# Altium PCB EBAZ4205.PcbDoc (part 3 of 6)
Units mm, origin at the board's own origin, x right, y up, seen from the top; angles counter-clockwise.
Board outline 100.3 x 97 mm, 4 copper layers (Top Layer, MidLayer1, MidLayer2, Bottom Layer); 565 components, 392 nets, 1912 pads, 1242 vias.
Unrouted connection lines stored in the file: 7.
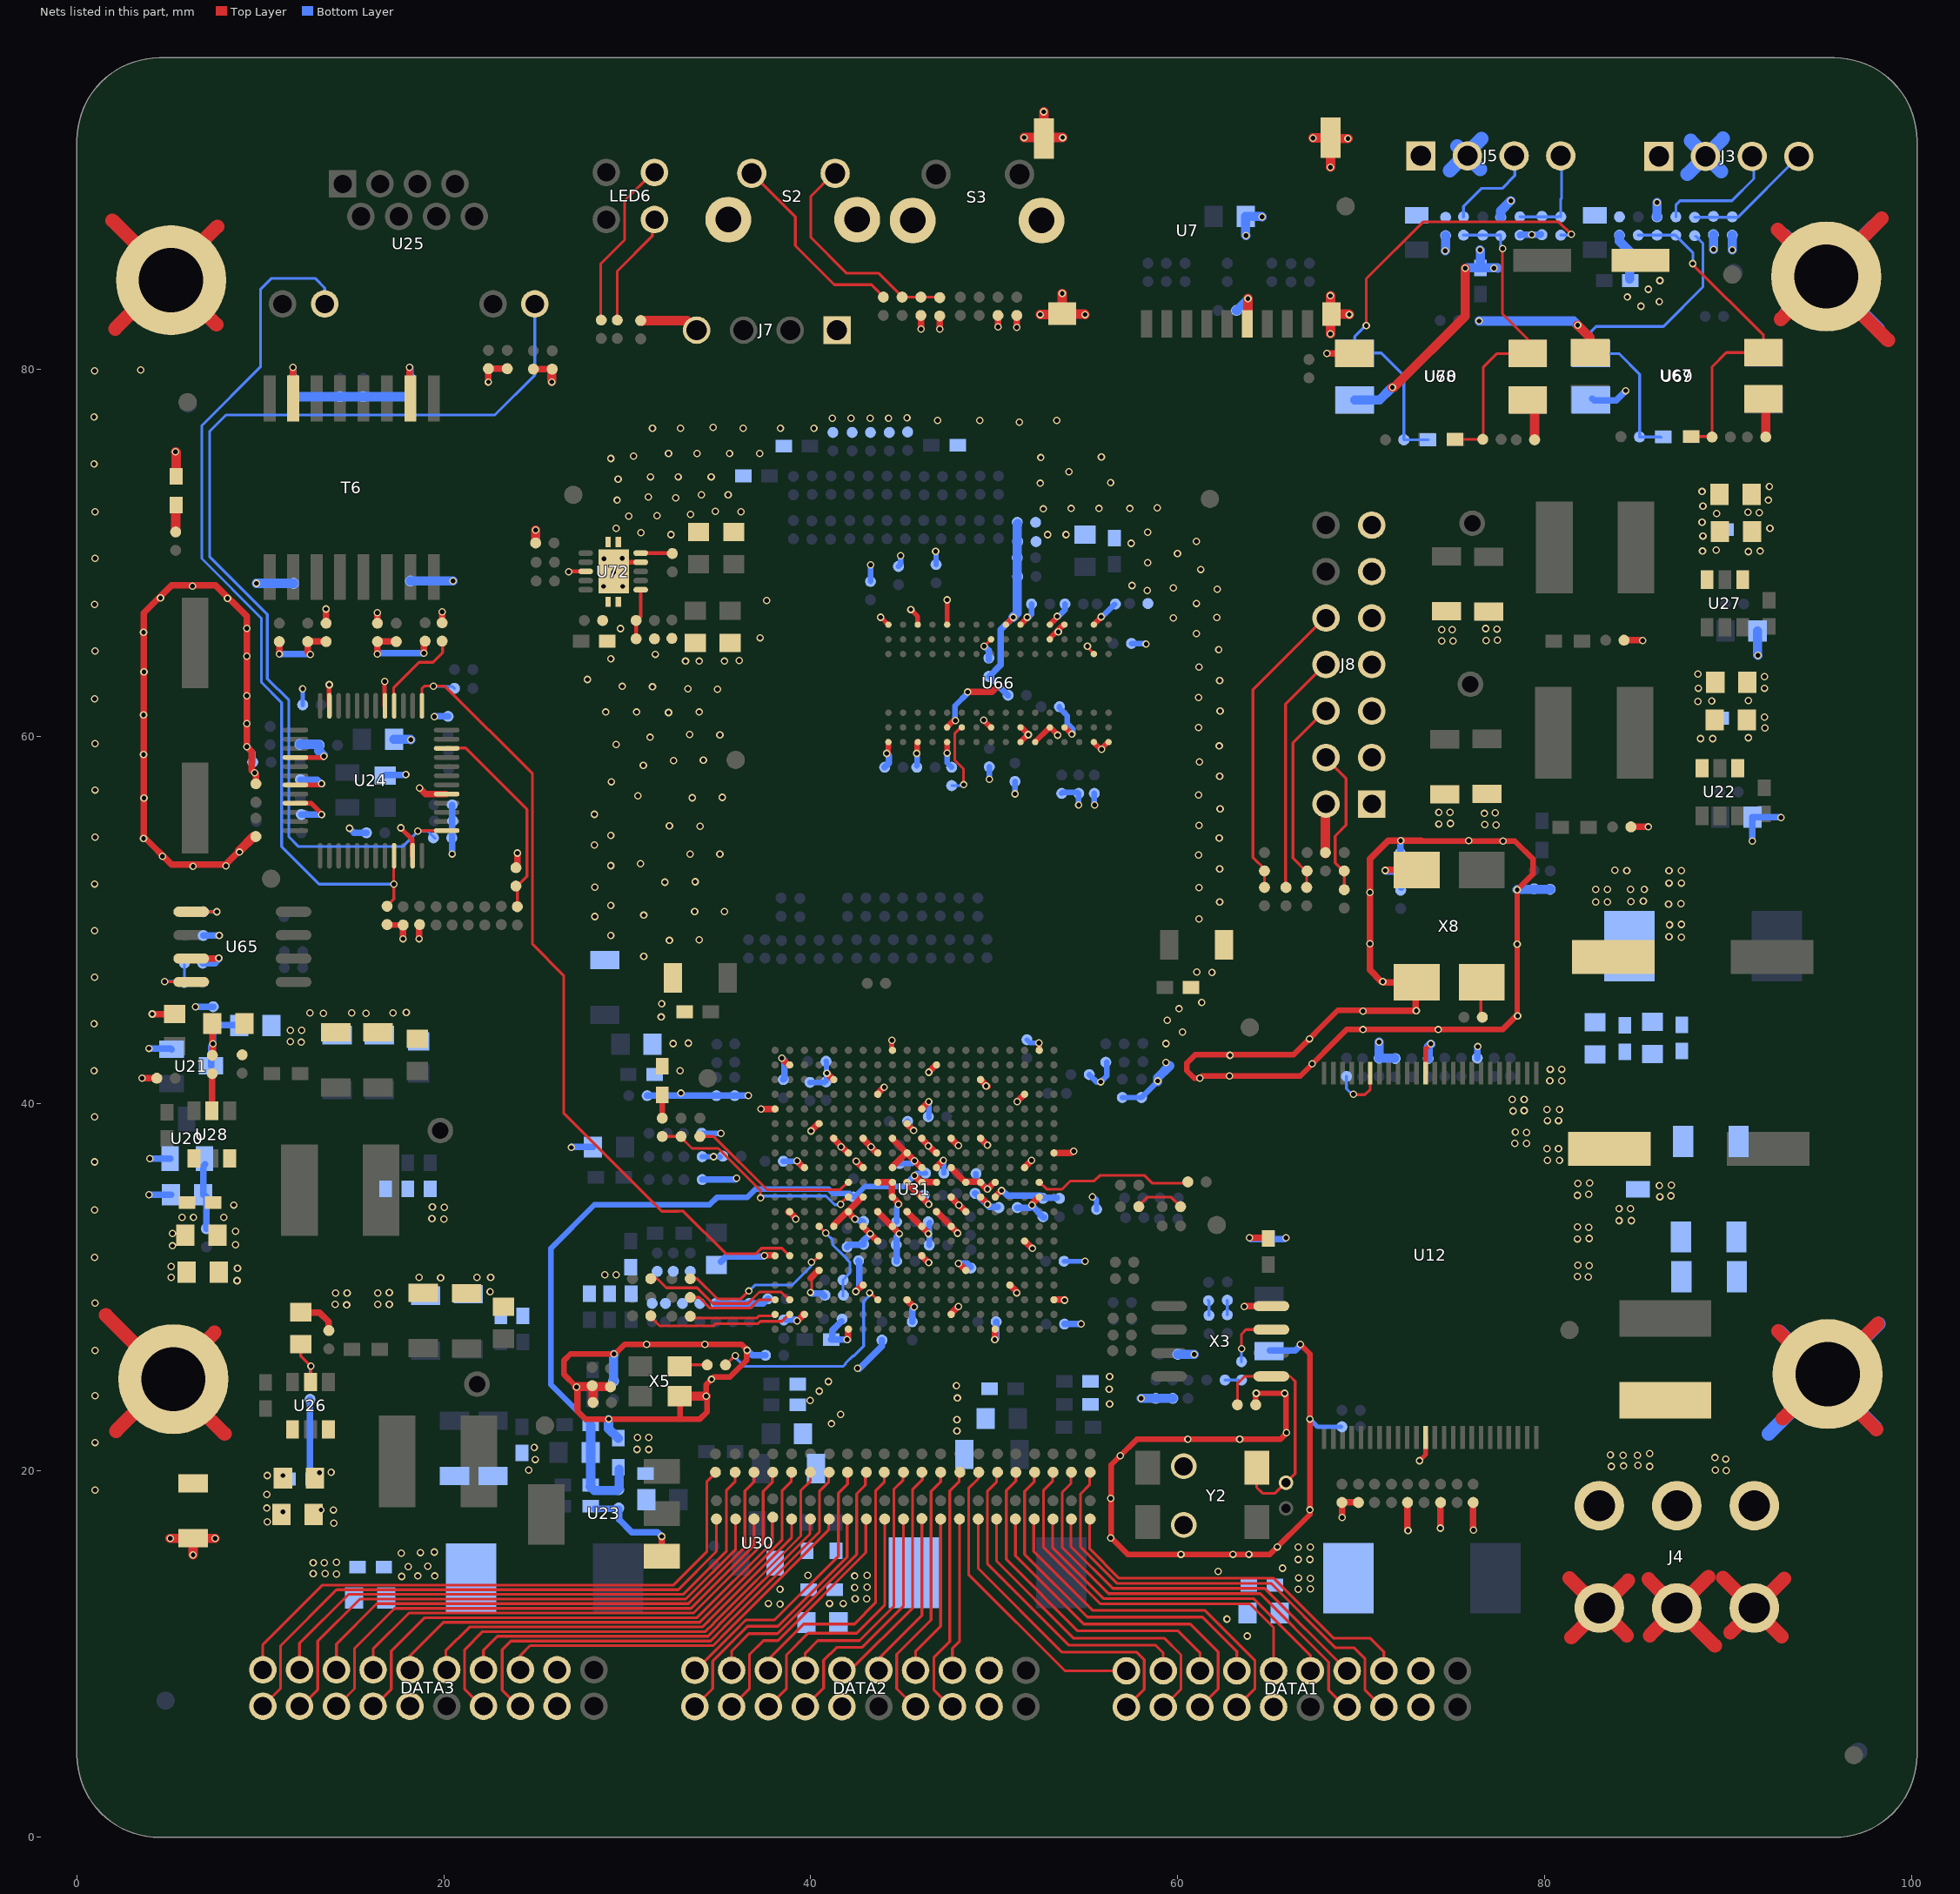
[diagram p5: the nets of this part, all layers, seen from the top]

## Via types
v1: diameter 0.406, hole 0.254, Top Layer to Bottom Layer, 1172 vias
v2: diameter 0.406, hole 0.254, Top Layer to Bottom Layer, tented both sides, 70 vias

## Nets (pads, with @x,y where several pads share a name; then routed paths per layer and width w, separated by ;. In a path a pad name is that pad's centre, name@x,y a point inside that pad or via, vN(x,y) a via of type N, cw(c..) or ccw(c..) an arc to the next point about the centre after c; other vN are vias at no path point) (continued)
GND: C68.2 C69.2 C71.1 C73.1 C82.1 C93.1 C94.1 C147.2 C289.1 C290.1 C291.2 C292.2 C293.1 C294.1 C306.2 C307.2 C308.2 C309.2 C310.2 C319.2 C320.2 C321.2 C322.2 C323.2 C325.1 C362.1 C363.1 C364.1 C366.2 C367.2 C368.2 C369.2 C370.2 C371.2 C372.2 C373.2 C374.2 C375.2 C376.2 C377.1 C379.1 C379A.1 C380.2 C382.2 C383.2 C384.1 C385.2 C386.2 C387.2 C389.1 C390.1 C391.2 C392.1 C394.1 C395.1 C396.2 C397.2 C398.1 C399.2 C401.1 C402.2 C403.1 C538.2 C625.2 C626.2 C628.2 C659.1 C660.1 C663.2 C665.2 C666.1 C667.2 C668.1 C669.1 C670.2 C671.1 C672.1 C673.2 C674.1 C845.1 C846.1 C1887.2 C1987.1 C2250.1 C2269.2 C2280.2 C2285.1 C2287.1 C2288.1 C2291.1 C2292.2 C2293.2 C2294.2 C2295.1 C2296.2 C2297.1 C2298.2 C2299.1 C2302.2 C2304.1 C2305.1 C2306.1 C2307.2 C2308.1 C2309.1 C2310.2 C2312.1 C2313.2 C2314.2 C2315.2 C2316.2 C2317.1 C2318.2 C2319.1 C2320.2 C2321.1 C2322.1 C2323.1 C2324.2 C2325.2 C2326.2 C2327.2 C2328.1 C2329.1 C2330.2 C2331.2 C2332.1 C2333.1 C2334.1 C2335.2 C2336.1 C2337.2 C2338.2 C2339.2 C2340.1 C2341.1 C2342.2 C2343.1 C2344.2 C2345.2 C2346.2 C2347.1 C2349.1 C2349A.2 C2350.1 C2351.2 C2352.2 C2353.1 C2354.2 C2355.2 C2356.1 C2357.1 C2358.2 C2359.1 C2360.1 C2361.1 C2362.2 C2363.1 C2365.1 C2366.2 C2367.2 C2368.2 C2369.2 C2370.2 C2371.2 C2372.2 C2373.1 C2374.2 C2375.2 C2376.2 C2377.1 C2378.2 C2379.2 C2381.1 C2382.2 C2384.1 C2394.2 C2395.2 C2396.1 C2397.1 C2398.2 C2399.2 C2400.1 C2401.2 C2402.1 C2403.2 C2404.2 C2405.2 C2406.2 C2407.2 C2408.2 C2409.2 C2410.1 DATA1.3 DATA1.4 DATA1.12 DATA2.3 DATA2.4 DATA2.12 DATA3.3 DATA3.4 DATA3.12 FB14.1 J7.1 J8.1 J8.3 J8.5 J8.7 J8.9 J8.11 J8.13 L36.2 LED1.2 LED4.2 R120A.1 R244.1 R246.1 R248.1 R277.1 R1336.2 R1381.1 R1383.1 R1386.1 R1389.1 R1390.1 R1392.1 R1393.2 R1396.2 R1412.1 R1415.2 R1418.2 R1421.2 R1483.2 R1497.1 R1498.1 R1499.1 R1949.1 R2161.1 R2389.2 R2433.2 R2455.2 R2456.2 R2459.1 R2512.1 R2538.2 R2541.2 R2558.2 R2560.2 R2584.2 R2585.1 R2586.2 R2587.2 R2588.1 R2590.2 R2598.2 R2616.2 R2645.2 R2648.1 S2.1 S2.2 S3.1 S3.2 U7.6 U7.10 U7.11 U7.12 U7.13 U12.13 U12.36 U20.2 U21.2 U22.1 U24.11 U24.17 U24.29 U24.35 U24.40 U24.43 U24.45 U26.1 U27.1 U28.1 U30.1 U31.A8 U31.A18 U31.B1 U31.B11 U31.C4 U31.C9 U31.C14 U31.D17 U31.E10 U31.E20 U31.F3 U31.F7 U31.F10 U31.G10 U31.G12 U31.G16 U31.H7 U31.H9 U31.H11 U31.H13 U31.H19 U31.J2 U31.J8 U31.J12 U31.K5 U31.K7 U31.K9 U31.K11 U31.K13 U31.K15 U31.L8 U31.L10 U31.L12 U31.L18 U31.M1 U31.M7 U31.M9 U31.M10 U31.M11 U31.M13 U31.N4 U31.N8 U31.N10 U31.N12 U31.N14 U31.P7 U31.P9 U31.P11 U31.P13 U31.P17 U31.R8 U31.R12 U31.R20 U31.T3 U31.T7 U31.T13 U31.U6 U31.U16 U31.V9 U31.V19 U31.W2 U31.W12 U31.Y5 U31.Y15 U65.3 U66.A9 U66.B1 U66.B3 U66.B9 U66.D1 U66.D8 U66.E1 U66.E2 U66.E8 U66.F9 U66.G1 U66.G8 U66.G9 U66.J2 U66.J8 U66.M1 U66.M9 U66.P1 U66.P9 U66.T1 U66.T9 U67.3 U68.3 U72.4 U72.8 U72.11 U72.12 U72.13 U72.14 U72.15 X3.4 X5.4 X8.2 Y2.5 Y2.6 | length 410.2
  Top Layer w0.152: v1@39.981,29.781 v1@40.056,29.706 ; v1@40.056,29.794 40.056,30.494 ; v1(49.456,64.931) 49.831,65.306 U66.J2@49.831,65.356 ; v1@55.056,64.906 55.406,64.556 U66.B3@55.431,64.556
  Top Layer w0.203: v1(26.806,68.981) 26.831,69.006 U72.8@27.706,69.006
  Top Layer w0.254: U24.45@11.881,56.374 12.763,56.374 13.331,55.806 v1(13.331,55.756) ; U24.43@11.881,57.369 13.269,57.369 v1(13.331,57.431) ; U24.40@11.881,58.862 13.388,58.862 v1(13.456,58.931) ; U24.35@13.735,61.681 13.735,62.81 v1(13.756,62.831) ; U24.29@16.763,61.681 16.763,62.987 v1(16.781,63.006) ; v1(17.656,55.031) 17.656,55.006 18.276,54.385 U24.11@18.276,53.506 ; U72.15@29.731,69.506 U72.4@30.706,69.506 ; U31.R20@42.001,27.731 U31.R20@42.031,27.7 ; v1(43.806,66.506) 43.831,66.506 U66.T1@44.231,66.106 ; v1(45.456,66.931) 45.831,66.556 U66.P1@45.831,66.106 ; v1@47.406,67.481 v1(47.431,67.456) U66.M1@47.431,66.106 ; v1(73.181,20.531) 73.517,20.866 U12.36@73.517,21.806 ; U12.13@73.517,41.656 73.517,42.966 v1(73.806,43.256)
  Top Layer w0.305: R1390.1@16.906,49.756 16.931,49.731 R1392.1@17.781,49.731 ; v1@27.206,24.581 26.556,25.231 26.556,26.006 26.906,26.356 29.331,26.356 29.856,26.881 36.231,26.881 36.506,26.606 36.506,26.006 35.606,25.106 34.731,25.106 34.306,24.681 v1(34.306,24.056) ; 27.281,23.356 27.281,23.231 27.706,22.806 32.907,22.806 33.956,22.806 34.356,23.206 34.356,23.981 v1@34.306,24.031 ; X5.4@32.856,23.931 X5.4@32.907,23.879 ; 32.881,22.806 X5.4@32.881,23.879 ; v1(44.133,59.084) 44.203,59.084 44.206,59.081 44.221,59.096 44.221,59.389 44.231,59.398 U66.T9@44.231,59.706 ; U31.M1@44.412,42.906 44.412,43.437 v1@44.431,43.456 ; v1(45.783,59.084) 45.803,59.084 45.806,59.081 45.806,59.681 U66.P9@45.831,59.706 ; v1(47.431,59.106) U66.M9@47.431,59.706 ; v1@49.456,60.931 49.456,60.856 U66.J8@49.831,60.481 ; U66.G8@51.406,60.506 51.481,60.506 51.856,60.131 U66.G9@51.431,59.706 ; U66.G1@51.431,66.106 51.806,66.481 v1(51.806,66.506) ; U66.F9@52.231,59.706 53.006,60.481 53.081,60.481 v1@53.431,60.131 ; U31.B1@52.452,42.906 v1@52.452,43.285 ; U66.E2@53.031,65.356 53.781,66.106 U66.D1@53.831,66.106 ; U66.E1@53.031,66.106 53.431,66.506 v1(53.431,66.556) ; U66.D8@53.831,60.481 53.881,60.481 v1(54.231,60.131) ; U66.B9@55.431,59.706 55.431,59.681 55.806,59.306 56.206,59.706 U66.A9@56.231,59.706 ; U66.B1@55.431,66.106 55.831,66.506 v1(55.831,66.531) ; C69.2@64.256,23.581 64.256,24.181 v1(64.281,24.206) v1(65.831,24.206) 65.906,24.131 65.906,22.006 65.606,21.706 57.781,21.706 56.781,20.706 56.381,20.306 56.381,16.331 57.281,15.431 65.031,15.431 67.206,17.606 67.206,26.356 v1(66.681,26.881) ; v2@70.031,45.081 68.731,45.081 66.306,42.656 60.956,42.656 60.506,42.206 60.506,41.781 60.906,41.381 v2(61.206,41.381) 61.331,41.506 66.681,41.506 69.206,44.031 77.706,44.031 78.506,44.831 v2(78.506,51.656) 79.381,52.531 79.381,53.306 78.381,54.306 73.306,54.306 73.281,54.331
  Top Layer w0.356: v1(4.106,44.881) C628.2@5.331,44.881 ; U65.3@6.231,47.906 7.706,47.906 v1(7.731,47.931) ; v2@8.856,53.781 8.106,53.031 5.156,53.031 3.631,54.556 3.631,66.731 5.156,68.256 7.556,68.256 9.256,66.556 v1(9.256,59.456) 9.531,59.181 9.531,58.181 v1(9.681,58.031) 9.756,57.956 C380.2@9.756,57.431 ; C386.2@12.181,28.606 13.231,28.606 13.731,28.106 R1415.2@13.731,27.631 ; C366.2@13.581,66.181 v1(13.581,66.956) ; C372.2@16.381,66.181 v1(16.381,66.756) ; v1(17.781,48.981) R1392.1@17.781,49.731 ; v1(18.656,48.981) R1386.1@18.656,49.756 ; v1(18.681,57.206) 19.015,56.871 U24.17@20.131,56.871 ; R1393.2@19.906,66.206 v1(19.906,66.806) ; v2@22.406,79.306 v2(22.431,79.331) R1389.1@22.431,80.056 C659.1@23.431,80.056 ; R2560.2@24.006,52.856 v1(24.006,53.656) ; C660.1@24.831,80.031 R1412.1@25.906,80.031 ; v1(27.231,24.556) 27.281,24.506 27.281,23.356 ; v1(37.281,39.706) 37.286,39.711 U31.Y5@37.981,39.711 ; v1@37.431,31.706 37.449,31.724 U31.Y15@37.981,31.724 ; v1(38.431,42.481) 38.431,42.461 U31.W2@38.785,42.107 ; U31.W12@38.786,34.087 U31.W12@38.817,34.087 ; U31.W12@38.816,34.12 v1@39.206,33.731 ; v1@39.256,28.131 39.589,28.464 U31.V19@39.589,28.529 ; v1(39.256,36.881) 39.256,36.849 U31.V9@39.589,36.516 ; 39.981,30.481 40.393,30.892 U31.U16@40.393,30.925 ; v1(40.006,38.506) 40.393,38.892 U31.U6@40.393,38.912 ; v1(40.881,41.656) 41.197,41.34 U31.T3@41.197,41.308 ; U31.T7@41.197,38.113 41.223,38.113 41.656,37.681 42.001,37.336 U31.R8@42.001,37.315 ; U31.T13@41.256,33.331 41.256,33.37 U31.P11@42.805,34.919 ; U31.R12@42.001,34.12 42.39,33.731 v1@42.406,33.731 ; v1@42.031,27.156 U31.R20@42.031,27.7 ; v1@42.431,36.881 42.44,36.881 U31.P9@42.805,36.516 ; v1(42.456,29.756) 42.805,30.104 U31.P17@42.805,30.127 ; U31.P13@42.805,33.321 43.57,32.556 U31.N14@43.606,32.556 ; U31.P7@42.805,38.113 43.256,37.662 43.256,37.656 43.597,37.315 U31.N8@43.608,37.315 ; U31.N12@43.608,34.12 44.823,32.906 v1(44.831,32.906) ; U31.N10@43.608,35.717 44.419,35.717 U31.M10@44.431,35.706 ; U31.N4@43.608,40.51 43.98,40.881 v1@43.981,40.881 ; U31.M10@44.412,35.717 44.412,34.949 v1@44.831,34.531 ; U31.M9@44.412,36.516 44.418,36.516 U31.L8@45.216,37.315 ; U31.M7@44.412,38.113 46.01,36.516 U31.K9@46.02,36.516 ; U31.L18@45.216,29.328 45.216,29.32 v1(45.631,28.906) ; U31.L12@45.216,34.12 46.406,32.931 v1(46.406,32.906) ; U31.L10@45.216,35.717 46.428,34.506 v1(46.431,34.506) ; v1(46.006,82.206) R120A.1@46.006,82.956 ; U31.K15@46.02,31.724 46.414,31.331 v1(46.431,31.331) ; U31.K7@46.02,38.113 46.803,37.331 U31.J8@46.806,37.331 ; U31.K5@46.02,39.711 46.036,39.711 v1(46.431,40.106) ; v1(46.431,41.706) 46.431,41.713 U31.J2@46.824,42.107 ; U31.J12@46.824,34.12 46.841,34.12 v1@47.993,32.968 ; v1(47.031,82.206) C73.1@47.031,82.931 ; U31.H19@47.628,28.529 47.63,28.529 v1@48.031,28.931 ; U31.H11@47.628,34.919 48.006,34.541 48.006,34.506 48.047,34.506 U31.G12@48.432,34.12 ; U31.H9@47.628,36.516 48.414,35.731 49.181,35.731 49.581,35.331 v1(49.631,35.331) U31.E10@50.006,35.706 ; U31.H7@47.628,38.113 48.036,37.706 v1(48.056,37.706) ; v1(48.056,31.281) 48.077,31.281 U31.G16@48.432,30.925 ; U31.F7@49.236,38.113 49.619,37.731 v1(49.631,37.731) ; U31.F3@49.236,41.308 49.614,40.931 v1@49.631,40.931 ; v1(50.031,27.131) 50.04,27.14 U31.E20@50.04,27.731 ; v1(50.206,82.331) C2410.1@50.206,82.956 ; U31.D17@50.844,30.127 51.256,29.715 v1@51.256,29.706 ; v1(51.231,82.306) R2648.1@51.231,82.956 ; v1(51.256,40.106) 51.256,40.117 U31.C4@51.648,40.51 ; U31.C14@51.648,32.523 52.065,32.106 v1(52.081,32.106) ; U31.C9@51.648,36.516 51.648,36.523 v1(52.031,36.906) ; v1@52.056,34.531 52.444,34.919 U31.B11@52.452,34.919 ; U31.A18@53.256,29.328 53.828,29.328 v1@53.831,29.331 ; U31.A8@53.256,37.315 54.19,37.315 v1@54.306,37.431 ; v1(63.631,28.931) 63.656,28.956 X3.4@65.106,28.956 ; v1(63.906,32.681) 64.906,32.681 C670.2@64.931,32.656 ; v1(68.131,80.881) U68.3@69.631,80.881 ; v1(68.956,17.431) R248.1@68.956,18.256 R2588.1@69.856,18.256 ; v2@70.081,45.056 v1(73.006,45.056) 72.981,45.081 72.981,46.556 X8.2@73.031,46.606 71.231,46.606 v1(71.181,46.656) 71.106,46.656 70.481,47.281 70.481,53.331 71.481,54.331 73.281,54.331 ; R2585.1@72.531,18.256 72.531,16.756 v1(72.556,16.731) ; v1(74.331,16.856) R246.1@74.331,18.256 ; R244.1@76.106,18.256 76.106,16.781 v1(76.131,16.756) ; R1418.2@84.331,65.256 85.331,65.256 v1(85.356,65.231) ; R1336.2@84.706,55.081 v1(85.656,55.081)
  Top Layer w0.508: v1(5.081,16.306) C325.1@6.331,16.306 ; v1(5.381,75.531) 5.406,75.506 LED4.2@5.406,74.181 ; v1(6.331,15.406) C325.1@6.331,16.306 ; v1(7.531,16.306) C325.1@6.331,16.306 ; v2@8.856,53.781 9.631,54.556 C377.1@9.756,54.556 ; C2400.1@25.006,70.556 v1(25.006,71.256) ; v2@25.881,79.381 25.881,80.006 R1412.1@25.906,80.031 ; v1(27.231,24.556) 27.256,24.581 C362.1@29.106,24.581 ; C364.1@28.106,24.581 28.131,24.556 R277.1@28.131,23.706 ; X5.4@32.856,24.056 v1(34.306,24.056) ; v1(51.631,92.656) 52.656,92.656 U7.12@52.706,92.606 ; v1(52.506,83.006) 53.681,83.006 U7.13@53.706,83.031 ; v1(52.706,94.056) U7.12@52.706,92.606 ; v1(53.706,84.156) U7.13@53.706,83.031 ; v1(53.731,92.656) 52.756,92.656 U7.12@52.706,92.606 ; v1(54.956,83.006) 54.931,83.031 U7.13@53.706,83.031 ; U7.6@63.79,82.506 63.831,82.546 v1(63.831,83.881) ; v1(67.381,92.631) 68.306,92.631 U7.11@68.331,92.656 ; v1(68.331,81.956) 68.331,82.981 U7.10@68.381,83.031 ; v1(68.331,84.031) 68.331,83.081 U7.10@68.381,83.031 ; v1(68.331,91.031) U7.11@68.331,92.656 ; v1(69.281,92.606) 68.381,92.606 U7.11@68.331,92.656 ; v1(69.356,83.006) 69.331,83.031 U7.10@68.381,83.031 ; v1(81.806,82.431) 82.481,81.756 U67.3@82.481,80.931
  Bottom Layer w0.254: C367.2@12.306,61.731 v1(12.306,62.606) ; C2293.2@51.781,43.481 51.956,43.306 v1(52.431,43.306) ; C674.1@53.806,31.406 v1(54.956,31.406) ; v2(67.206,22.806) 67.631,22.381 R2584.2@68.906,22.381
  Bottom Layer w0.305: R1498.1@34.056,38.381 v1(35.106,38.381) ; R1497.1@34.081,37.106 34.706,37.106 35.031,37.106 C667.2@35.056,37.081 ; C668.1@38.506,36.856 39.281,36.856 v1@39.306,36.881 ; C2280.2@39.956,41.156 40.756,41.156 40.856,41.256 40.856,42.281 C2299.1@40.831,42.306 ; R2645.2@43.256,68.456 v1(43.256,69.356) ; C2342.2@44.681,33.556 44.681,34.356 v1@44.781,34.456 ; C2382.2@44.781,69.281 44.906,69.406 v1(44.906,69.856) ; C2347.1@44.831,36.731 45.531,36.731 v2@45.631,36.831 ; C2375.2@45.781,58.406 45.806,58.431 45.806,59.081 45.803,59.084 v1(45.783,59.084) ; v1@46.406,40.006 v1@46.456,40.056 ; R2456.2@46.431,39.256 v1@46.431,39.981 ; C2346.2@46.456,32.281 46.456,33.481 C2335.2@46.481,33.506 ; v1(46.806,70.106) 46.831,70.081 C2376.2@46.831,69.381 ; v1(47.431,59.106) 47.431,58.581 R2455.2@47.681,58.331 ; C2350.1@49.006,36.181 49.006,35.956 v1@49.506,35.456 ; v1(49.731,57.681) C2368.2@49.731,58.356 ; v1(51.131,56.881) C2378.2@51.131,57.556 ; v1@51.831,66.456 52.031,66.656 C2369.2@52.031,67.231 ; v1@53.481,66.531 53.856,66.906 C2371.2@53.856,67.231 ; C2250.1@53.556,61.631 53.556,61.556 53.981,61.131 53.981,60.731 54.281,60.431 v1@54.281,60.206 ; C2372.2@53.681,56.906 53.731,56.956 C2367.2@54.531,56.956 ; v1(54.606,56.281) C2367.2@54.606,56.906 ; C2291.1@55.181,41.581 55.581,41.181 v1(55.806,41.181) 56.131,41.506 C2297.1@56.131,42.256 ; v1@55.356,34.956 55.581,34.731 C671.1@55.581,34.231 ; C2379.2@55.456,56.906 55.456,56.306 v1(55.481,56.281) ; v1(55.831,66.531) 55.881,66.531 C2381.1@56.556,67.206 ; C2304.1@56.981,40.331 R2459.1@58.031,40.331 58.906,41.206 v1(58.906,41.231) ; C2373.1@57.481,65.081 58.256,65.081 v1(58.281,65.056)
  Bottom Layer w0.356: v1(3.931,35.031) C625.2@5.131,35.031 ; v1(3.931,43.006) 5.106,43.006 U21.2@5.156,42.956 ; v1(3.981,37.006) U20.2@5.081,37.006 ; R1949.1@6.856,47.656 7.531,47.656 v1@7.756,47.881 ; C1887.2@6.881,49.156 v1(7.756,49.156) ; v1(9.256,59.456) 9.581,59.131 C376.2@9.581,58.606 ; C370.2@12.181,57.656 13.106,57.656 v1@13.356,57.406 ; C374.2@12.231,55.756 v1(13.331,55.756) v1@13.356,55.731 ; v1(14.856,55.006) 15.106,54.756 C382.2@15.781,54.756 ; C379.1@16.806,57.881 16.831,57.906 v1@17.881,57.906 ; v1(19.481,61.081) 19.506,61.106 R1396.2@20.231,61.106 ; v1(20.456,53.606) R1381.1@20.456,56.281 ; v1(26.956,37.606) 26.981,37.631 C663.2@28.131,37.631 ; C672.1@31.081,40.431 R2161.1@34.856,40.431 v1(36.606,40.431) ; R1499.1@34.081,35.856 35.881,35.856 v1(35.956,35.931) ; C2359.1@34.806,29.106 37.406,29.106 C2313.2@37.656,29.356 ; C2349.1@35.106,31.381 35.381,31.656 37.431,31.656 v1(37.481,31.706) ; v2(36.531,26.556) 36.806,26.281 C2310.2@37.531,26.281 ; v1(38.431,42.481) 38.556,42.356 38.556,41.356 C2296.2@38.506,41.306 ; C2307.2@38.631,28.231 39.181,28.231 v1(39.256,28.156) ; v1@40.056,29.656 40.606,29.656 R2541.2@40.756,29.506 ; C2308.1@41.681,28.131 41.181,27.631 41.181,27.206 C2309.1@41.106,27.131 v1@42.056,27.131 ; C2334.1@41.981,32.181 42.106,32.306 42.806,32.306 C2326.2@42.856,32.356 ; v1(42.406,33.706) C2339.2@42.845,33.571 ; v1(42.456,29.756) 42.656,29.956 42.656,31.381 C2318.2@42.606,31.431 ; v1@42.656,25.556 43.881,26.781 C2314.2@43.881,27.106 ; C2326.2@42.881,32.331 42.881,32.531 v2@43.206,32.856 ; C2374.2@44.031,58.331 44.256,58.556 v1@44.256,58.981 ; C2320.2@44.681,31.406 44.681,32.756 v1(44.831,32.906) ; C2317.1@45.531,28.106 45.531,28.781 v1@45.681,28.931 ; C2354.2@46.181,35.006 46.181,34.781 v1@46.406,34.556 ; v1(48.056,31.281) 48.531,31.281 C147.2@48.706,31.106 ; v1(49.456,64.931) 49.706,64.681 C2302.2@49.706,64.206 ; v1(50.031,27.131) 50.106,27.206 C2322.1@50.106,28.106 ; R2512.1@51.256,34.331 51.931,34.331 v1(52.056,34.456) ; v1@52.056,34.431 52.681,33.806 R2433.2@52.731,33.806 ; C2323.1@53.831,27.981 54.681,27.981 v1@54.706,28.006 ; v1(63.906,32.681) 63.981,32.606 65.831,32.606 v1(65.906,32.681) ; C669.1@65.031,26.531 66.406,26.531 v1@66.706,26.831 ; R2389.2@72.131,53.656 v2@72.131,54.306 ; R2590.2@76.331,42.481 76.331,43.081 v1(76.356,43.106) ; v1(91.331,54.306) C294.1@91.331,55.606 92.856,55.606 v1(92.881,55.581)
  Bottom Layer w0.508: v1(9.781,68.356) C375.2@11.806,68.356 ; C369.2@12.156,59.581 13.131,59.581 13.181,59.531 13.181,59.231 v1@13.431,58.981 ; C371.2@17.281,59.856 18.181,59.856 v1(18.206,59.831) ; C373.2@18.181,68.481 v1(20.506,68.481) ; v2@28.981,22.756 28.981,22.281 FB14.1@29.506,21.756 ; C363.1@29.256,24.881 29.256,26.306 v2@29.281,26.331 ; v1@58.006,23.931 C538.2@59.731,23.931 ; v1@58.906,41.206 58.906,41.403 59.565,42.062 ; C71.1@60.006,26.331 v1@60.906,26.331 ; C94.1@63.206,83.231 63.231,83.231 v1@63.781,83.781 ; v1(63.731,87.306) 63.706,87.331 C93.1@63.706,88.356 64.581,88.356 v1(64.606,88.331) ; v1(70.981,43.356) R2586.2@70.981,42.481 R2587.2@71.831,42.481 ; R2598.2@73.656,42.456 73.656,43.081 v1@73.806,43.231 ; v1(76.431,82.656) 81.581,82.656 v1(81.806,82.431) ; v2(78.506,51.656) 78.531,51.681 C2285.1@80.306,51.681 ; C395.1@91.606,65.756 91.606,64.456 v1(91.631,64.431)
  other v1: 63.789,10.977 62.689,11.902 38.321,12.727 37.696,12.752 38.321,13.526 39.845,14.276 14.152,14.351 12.877,14.376 13.527,14.376 62.215,14.501 12.877,14.976 13.477,14.976 14.152,15.001 10.378,17.2 11.228,17.75 10.353,17.95 10.353,18.7 10.378,19.725 11.228,19.725 24.624,20.025 24.974,20.6 30.523,21.149 31.173,21.149 24.924,21.249 30.548,21.799 31.173,21.799 47.968,22.149 41.12,22.549 47.968,22.774 41.62,23.049 56.291,23.624 39.97,23.824 58.006,23.931 47.993,23.949 40.47,24.324 56.266,24.424 47.943,24.624 40.97,24.849 56.291,25.123 42.556,25.571 60.906,26.331 41.981,27.131 54.731,27.981 48.056,28.931 14.702,29.022 14.077,29.047 16.401,29.047 17.026,29.047 53.831,29.281 14.102,29.672 14.727,29.672 16.401,29.672 17.026,29.697 51.231,29.681 39.981,29.706 22.525,29.747 19.825,30.497 5.129,30.522 18.651,30.522 21.8,30.522 22.55,30.522 28.773,30.672 29.398,30.672 5.129,31.122 5.204,32.247 5.204,32.921 48.006,32.931 20,33.696 39.183,33.707 19.351,33.721 5.729,33.796 6.354,33.796 20.025,34.346 19.376,34.371 48.081,34.456 44.781,34.506 55.356,34.906 42.481,36.856 80.16,36.895 80.81,36.895 34.706,37.106 54.331,37.406 80.135,37.545 80.76,37.545 41.656,37.631 43.281,37.631 78.385,37.82 79.01,37.82 79.01,38.42 78.41,38.445 80.16,39.07 80.76,39.07 78.285,39.595 78.885,39.62 80.135,39.67 80.81,39.67 78.235,40.22 78.885,40.22 32.922,40.569 44.006,40.881 49.556,40.956 80.285,41.244 80.935,41.244 32.872,41.794 80.31,41.869 80.935,41.869 59.365,42.244 32.497,43.269 59.365,43.269 33.322,43.294 12.227,43.344 11.628,43.369 44.431,43.456 60.265,43.894 11.628,43.994 12.252,43.994 59.44,44.543 31.847,44.718 13.427,44.918 15.751,44.918 12.702,44.943 14.977,44.943 17.226,44.943 17.951,44.968 60.065,45.168 31.872,45.443 61.315,45.518 61.865,47.143 61.04,47.168 30.898,48.018 32.297,48.892 33.922,48.917 29.098,49.167 61.165,50.067 28.223,50.192 30.898,50.267 33.672,50.467 35.296,50.467 29.098,50.792 62.29,50.992 61.165,51.767 28.223,51.792 32.047,52.067 33.697,52.092 62.29,52.791 29.098,52.966 30.723,53.066 61.14,53.541 33.422,53.591 35.047,53.591 28.198,54.091 62.265,54.466 29.098,54.616 33.972,55.116 32.297,55.141 61.165,55.166 77.361,55.191 76.736,55.216 74.236,55.241 74.861,55.266 28.198,55.766 76.711,55.816 77.311,55.841 74.236,55.866 74.836,55.866 62.315,56.066 33.547,56.665 35.171,56.69 30.573,56.765 61.14,56.815 29.123,57.54 62.29,57.84 17.931,57.931 30.873,58.44 61.19,58.615 32.522,58.69 34.147,58.715 55.856,59.306 62.265,59.49 29.398,59.565 91.107,59.94 31.247,59.965 53.456,60.081 35.047,60.089 51.856,60.106 33.397,60.114 92.007,60.464 61.14,60.489 49.431,60.906 91.982,61.064 32.247,61.314 28.823,61.339 30.498,61.339 33.922,61.339 62.315,61.389 91.107,61.964 61.14,62.139 34.922,62.589 33.297,62.614 91.982,62.639 31.372,62.714 29.723,62.739 62.29,63.064 27.823,63.114 91.982,63.264 61.165,63.789 33.172,64.113 33.922,64.113 35.296,64.113 36.096,64.138 29.098,64.238 31.522,64.488 62.24,64.738 55.081,64.931 74.386,65.213 75.011,65.213 76.811,65.238 77.436,65.263 37.246,65.388 61.015,65.613 53.492,65.713 74.386,65.838 74.961,65.838 77.411,65.863 29.623,65.888 76.786,65.888 59.765,66.463 62.14,66.488 61.015,67.263 37.596,67.413 58.341,67.962 62.165,68.037 59.765,68.112 28.698,68.187 29.748,68.187 57.516,68.237 29.248,68.962 61.265,69.112 58.366,69.487 28.723,69.687 29.723,69.712 59.99,69.987 91.107,70.087 91.757,70.112 57.466,70.537 61.015,70.637 32.372,71.012 52.917,71.012 53.917,71.012 30.748,71.112 58.366,71.137 29.398,71.362 92.282,71.362 30.073,72.011 31.622,72.036 33.447,72.111 91.707,72.211 91.082,72.236 36.196,72.261 34.797,72.286 52.667,72.411 54.192,72.436 55.716,72.436 57.391,72.436 58.89,72.461 29.448,72.886 92.207,72.886 32.647,73.011 31.148,73.061 34.047,73.186 35.496,73.186 92.257,73.636 52.517,73.811 56.341,73.836 29.498,74.036 31.272,74.161 32.772,74.161 34.572,74.161 54.067,74.436 29.098,75.161 52.542,75.211 55.841,75.236 30.348,75.286 32.247,75.436 33.797,75.436 35.571,75.436 37.221,75.436 31.372,76.81 32.897,76.81 36.321,76.81 38.346,76.81 40.17,76.81 34.672,76.86 51.367,77.135 46.918,77.235 49.218,77.235 53.417,77.235 41.17,77.36 42.195,77.36 43.244,77.36 44.244,77.36 45.244,77.385